# Altium PCB msp432.PcbDoc (continued)
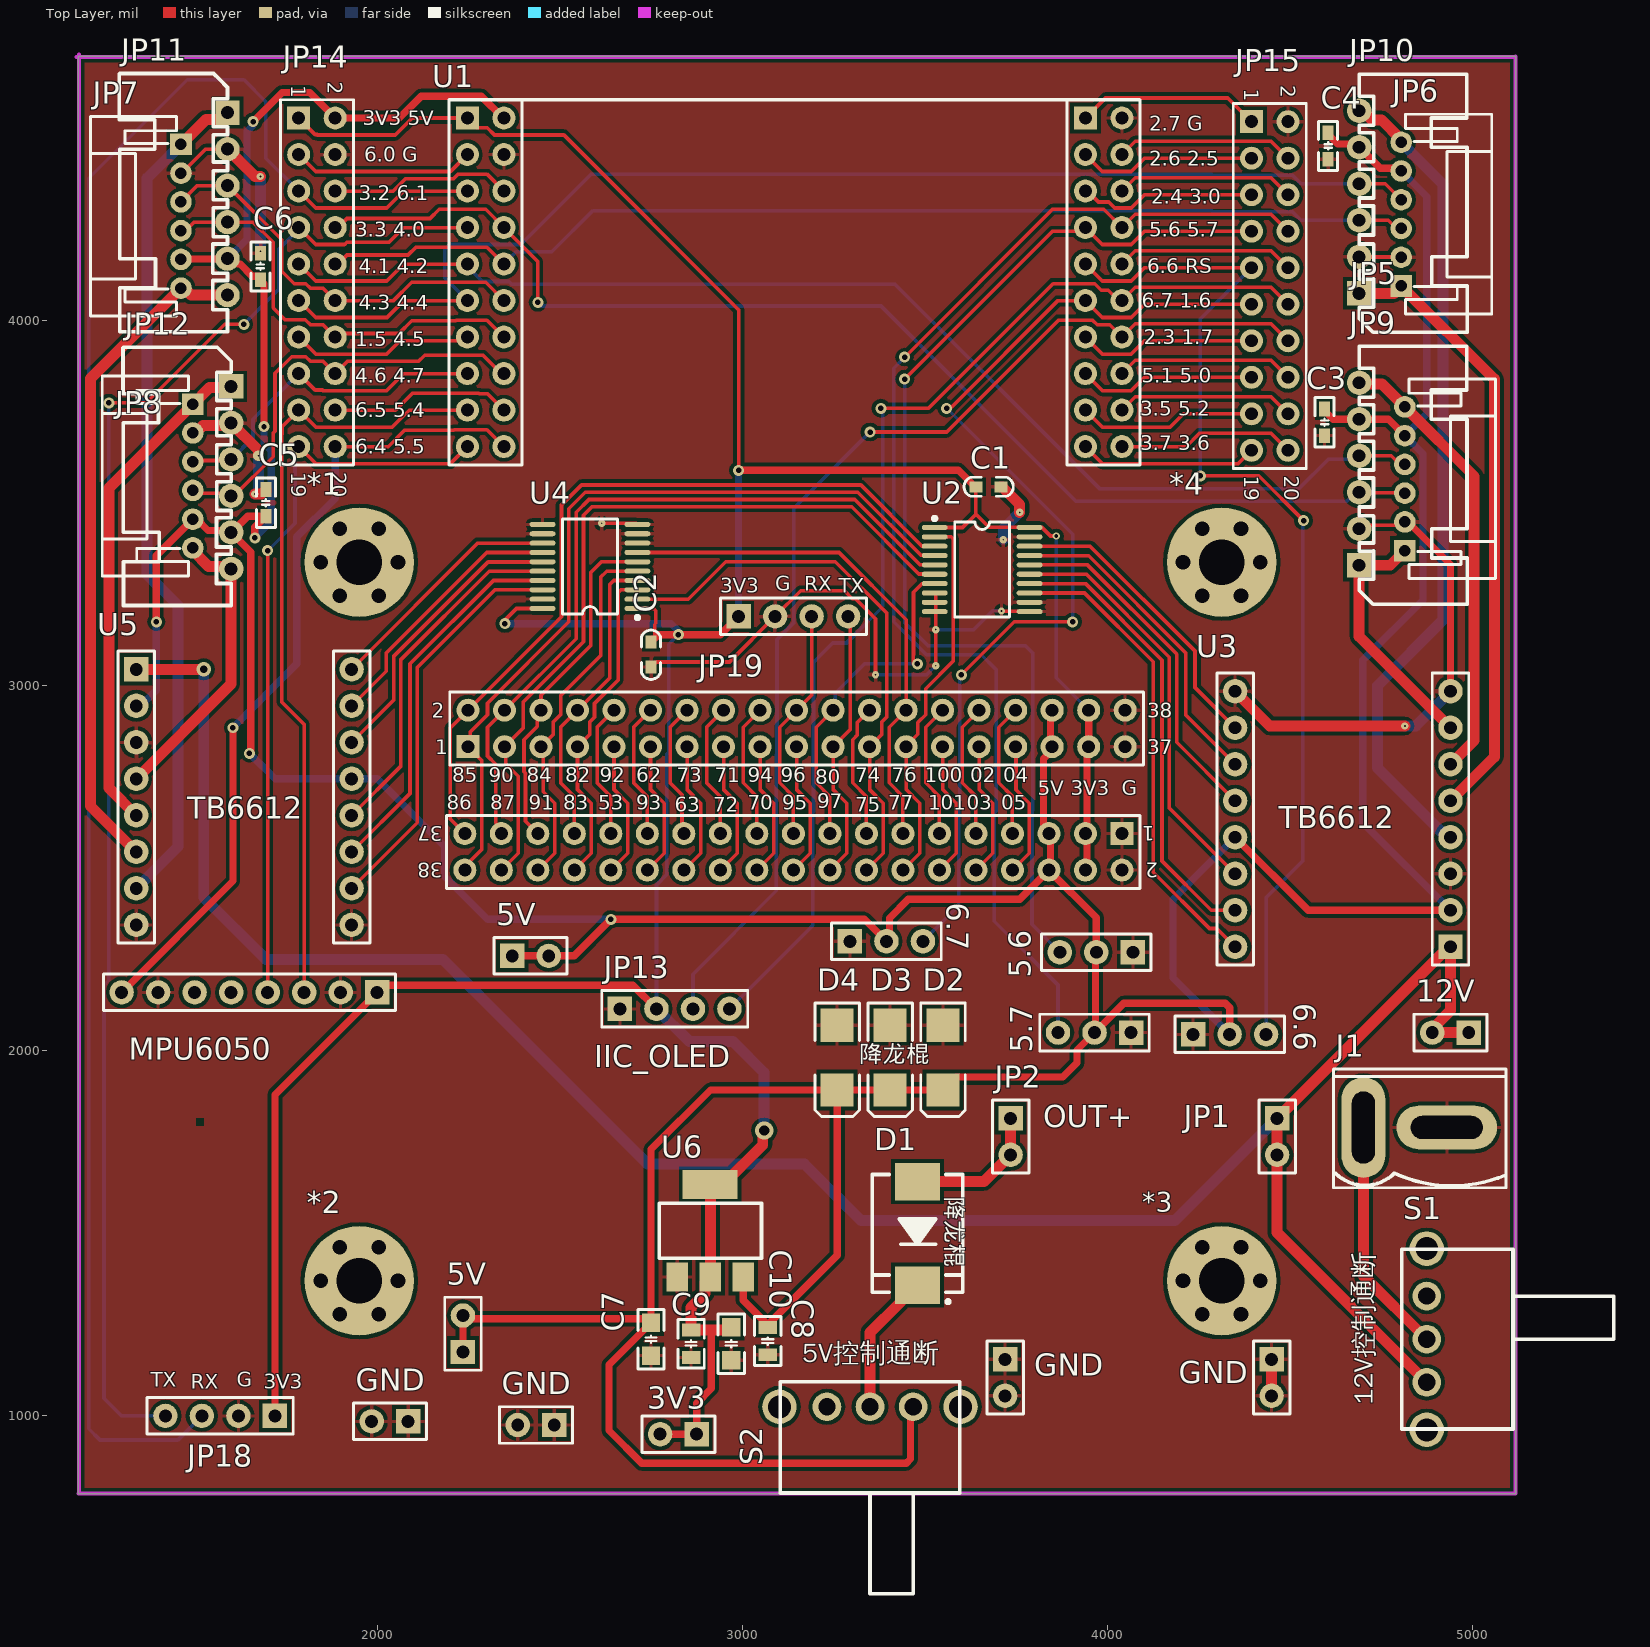
[diagram p0: Top Layer view]
## Part data
3V3 5V 5V 12V GND GND GND GND JP1 JP2: library part "Header 2", "2P接插件", BOM名称=2P接插件, 学习资源=https://lmdzstyle.taobao.com/, 版权归属=黎明电子style
5.6 5.7 6.6 6.7: library part "Header 3", "3P接插件", BOM名称=3P接插件, 学习资源=https://shop463601444.taobao.com, 版权归属="封装库来自淘宝 ID：黄晶宝石"
*1 *2 *3 *4: "铜柱孔", BOM名称=铜柱孔, 学习资源=https://lmdzstyle.taobao.com/, 版权归属=黎明电子style
C1 C2 C3 C4 C5 C6: library part C, "无极性贴片电容", BOM名称=无极性贴片电容, 学习资源=https://lmdzstyle.taobao.com/, 版权归属=黎明电子style
C7 C8 C9 C10: library part C, "贴片电容", BOM名称=无极性贴片电容, 唯一出售店铺网址=https://shop463601444.taobao.com, 淘宝ID="封装库来自淘宝 ID：黄晶宝石", 联系售后，技术支持=https://shop463601444.taobao.com
D1: "肖特基二极管", BOM名称=肖特基二极管, 学习资源=www.ooocke.com, 属性=40V/3A, 版权归属=源创客
D2 D3 D4: "TVS保护", PackageDocument=Sep-1996, Code_JEDEC=DO-214-AB, LatestRevisionDate=17-Jul-2002, LatestRevisionNote="Re-released for DXP Platform.", PackageReference=SMC, Published=8-Jun-2000, Publisher="Altium Limited", Type=E6.8CA
J1: "航模电池接口", BOM=航模电池接口
JP5 JP6 JP7 JP8 JP9 JP10 JP11 JP12: library part "Header 6", "6P接插件", BOM名称=6P接插件
  JP5 JP6 JP7 JP8: 学习资源=www.ooocke.com, 版权归属=源创客
  JP9 JP10 JP11 JP12: 学习资源=https://lmdzstyle.taobao.com/, 版权归属=黎明电子style
JP13 JP18 JP19: library part "Header 4", "4P接插件", BOM名称=4P接插件, 学习资源=https://shop463601444.taobao.com, 版权归属="封装库来自淘宝 ID：黄晶宝石"
JP14 JP15: library part "Header 10X2", "10*2P接插件", BOM名称=10*2P接插件, 学习资源=www.ooocke.com, 版权归属=源创客
JP16: library part "Header 19X2", "19*2P接插件", BOM名称=19*2P接插件, 学习资源=https://shop463601444.taobao.com, 版权归属="封装库来自淘宝 ID：黄晶宝石"
MPU6050: library part "Header 8", "8P接插件", BOM名称=8P接插件, 学习资源=https://shop463601444.taobao.com, 版权归属="封装库来自淘宝 ID：黄晶宝石"
S1 S2: library part SSW-1P, "1路波动开关", BOM名称=波动开关, 学习资源=https://lmdzstyle.taobao.com/, 版权归属=黎明电子style
U1: "适配msp432官方"
U2 U4: BOM_JLCPCB Part Class="Extended Part", BOM_Manufacturer=TI, BOM_Manufacturer Part=SN74LVC245APWR, BOM_Supplier=LCSC, BOM_Supplier Part=C7848, spicePre=X, spiceSymbolName=SN74LVC245APWR
U3 U5: BOM_JLCPCB Part Class="Extended Part", BOM_Manufacturer=TOSHIBA, BOM_Manufacturer Part=TB6612FNG,C,8,EL, BOM_Supplier=LCSC, BOM_Supplier Part=C141517, Contributor=LCSC, spicePre=U, spiceSymbolName=TB6612FNG,C,8,EL
U6: library part Component_1

## Via types
v1: diameter 30, hole 15, Top Layer to Bottom Layer, 24 vias
v2: diameter 20, hole 5, Top Layer to Bottom Layer, 11 vias
v3: diameter 30, hole 5, Top Layer to Bottom Layer, 1 vias
v4: diameter 20, hole 10, Top Layer to Bottom Layer, 1 vias
v5: diameter 40, hole 20, Top Layer to Bottom Layer, 1 vias
v6: diameter 50, hole 28, Top Layer to Bottom Layer, 1 vias

## Nets (pads, with @x,y where several pads share a name; then routed paths per layer and width w, separated by ;. In a path a pad name is that pad's centre, name@x,y a point inside that pad or via, vN(x,y) a via of type N, cw(c..) or ccw(c..) an arc to the next point about the centre after c; other vN are vias at no path point)
3V3: 3V3.1 3V3.2 C1.1 C2.1 C9.2 C10.2 JP13.2 JP14.1 JP16.3 JP16.4 JP18.1 JP19.1 MPU6050.1 U1.1 U1.55 U1.56 U2.1 U2.20 U4.1 U4.20 U6.2 | length 10227.3
  Top Layer w10: JP14.1 1830,4510 1835,4510 1836.5,4508.5 2049.68,4508.5 2096.17,4555 U1.1 2273.58,4528.5 2301.5,4528.5 2321.5,4508.5 2511.5,4508.5 2990,4030 v1(2990,3590) ; v1@2350,3180 2381.62,3211.62 U4.20 ; U4.1 2757.53,3211.62 2763.38,3205.76 2763.38,3170.82 2760,3167.44 C2.1@2760,3130 ; JP19.1@2968.38,3211.62 JP19.1 ; U2.1 3603.38,3433.38 3640,3470 ; C1.1 3640,3470 ; v4(3860,3410) 3844.29,3410 3820.91,3433.38 U2.20 3786.28,3434.11 3675.89,3434.11 3640,3470
  Top Layer w20: JP18.1 1720,1880 2020,2180 2700,2180 JP13.2 ; C2.1 2750,3122.5 2755,3127.5 2757.5,3127.5 2760,3130 2770,3140 v1(2825,3140) 2940,3140 JP19.1 ; 3V3.2 3V3.1 2875,1035 2915,1075 2915,1235 ; v1(2990,3590) 3592.5,3590 3637.5,3545 C1.1 ; JP16.4 3944.45,2499.45 U1.56@3944.45,2832.97 ; U1.55@3944.45,2928.52 U1.55 U1.56
  Top Layer w30: C10.2@2970,1235 2915,1235 C9.2 2860,1297.5 2898.05,1335.55 2898.05,1365.5 2912.55,1380 2912.55,1632.88 2911.88,1633.54 2947.38,1633.54 3056.17,1742.34 3056.17,1777.84 v6(3060,1781.66)
  Bottom Layer w10: JP13.2 2765,2454.24 2793.5,2482.75 2793.5,2811.82 2798.53,2816.85 2798.53,3113.53 v1(2825,3140) ; v4(3860,3410) 3860,3021.86 U1.55
  Bottom Layer w20: v1(2350,3170) 2805,3170 2825,3150 v1(2825,3140) ; JP19.1 v1@2990,3585
  Bottom Layer w30: JP13.2 2855,2025 2975,2025 3060,1940 v6(3060,1781.66)
5V: 5.6.2 5.7.2 5V.1 5V.2 6.6.2 6.7.2 C3.1 C4.1 C5.1 C6.1 C7.2 C8.2 D2.2 D3.2 D4.2 JP5.5 JP6.5 JP7.5 JP8.5 JP9.5 JP10.5 JP11.5 JP12.5 JP14.2 JP16.5 JP16.6 S2.1 U1.2 U1.53 U1.54 U3.2 U3.13 U5.2 U5.13 U6.3 | length 16818.1
  Top Layer w20: v1(1395,3175) 1395,3356.26 JP8.5 1505.57,3456.26 1536.54,3425.29 1594.71,3425.29 JP12.5 ; JP7.5 1463.64,4168.93 1588.93,4168.93 JP11.5 1602.7,4170 1617.58,4155.12 1624.88,4155.12 1658,4122 1675,4122 1680,4117 C6.1 1690,4102 v1(1690,3710) ; v1@1653.46,2823.46 1653.46,3366.54 JP12.5 ; v1(1660,4545) 1740,4625 1815,4625 JP14.2 2060.82,4555 2120.82,4615 2285,4615 2345,4555 U1.2 ; v1(1665,3405) 1665,3434.5 C5.1 1645.25,3464.5 1600.75,3420 JP12.5 ; 5V.1@2235,1175 2235,1266.02 2235,1275 2243.98,1266.02 2738.98,1266.02 C7.2 ; 5V.1@2370,2260 2470,2260 2540,2260 v1(2640,2360) 3335,2360 6.7.2 3403.46,2308.46 3403.46,2363.46 3455,2415 3760,2415 JP16.6 ; U6.3 3003.1,1316.9 3070,1250 3260,1440 D4.2 ; S2.1 3460.63,1017.52 3460.63,881.72 3448.91,870 2725,870 2635,960 2635,1140 C7.2 ; JP16.5 3840,2606.63 3825,2621.63 3825,2799.76 3848.89,2823.65 U1.54 ; JP16.5@3844.45,2595 3844.45,2499.45 JP16.6 ; U1.54@3844.45,2832.97 3844.45,2928.52 U1.53 ; 6.6.2 4335,2118.28 4323.28,2130 4045,2130 5.7.2@3967.5,2052.5 ; U3.13 4550,2385 U3.2 ; C3.1 4595,3753 4618,3730 JP9.5 4770,3730 JP5.5 ; C4.1 4605,4510 4631.02,4483.98 4681.02,4483.98 JP10.5 4747.53,4417.47 4797.53,4417.47 JP6.5 ; C7.2 2750,1730 2912.83,1892.83 D4.2 ; D4.2 D3.2 D2.2 3585.28,1928.11 3878.11,1928.11 3917.07,1967.07 3917.07,2002.07 5.7.2 5.7.2@3967.5,2052.5 ; JP16.6 3970,2365 5.6.2 3967.5,2267.5 5.7.2@3967.5,2052.5
  Bottom Layer w20: U5.2 1352.7,2945 1395,2987.3 v1(1395,3175) ; JP11.5 1643.46,4223.46 1643.46,4518.46 v1@1660,4535 ; v1(1650,2815) 1720,2745 U5.13 2000,2745 2184.33,2560.67 2184.33,2477.84 2302.17,2360 v1(2640,2360) ; v1(1665,3405) 1710,3450 1710,3644.5 1690,3664.5 v1(1690,3710) ; 6.6.2 4180,2200 4180,2415 4340,2575 4340,2580 4350,2580 U3.13 ; JP6.5 4875,4340 4875,3745 JP5.5 4864.53,3635.47 4864.53,3234.53 4700,3070 4700,2625 U3.2
+5OUT: D1.2 S2.2 | length 393.5
  Top Layer w30: S2.2 3350,1228.27 3432.99,1311.26 3432.99,1322.09 3469.17,1358.27 D1.2
+12: 12V.1 12V.2 JP1.1 JP1.2 S1.3 U3.1 U5.1 | length 6150.9
  Top Layer w30: U5.1 v5(1525,3045) ; S1.3 4465,1501.89 JP1.2 JP1.1 4916.54,2266.54 4921.54,2266.54 U3.1 4940,2109.99 4890,2059.99 12V.2 12V.1
  Bottom Layer w30: v5(1525,3045) 1525,2420 1695,2250 2180,2250 2740,1690 3170,1690 3325,1535 4185,1535 JP1.1
GND: 5.6.1 5.7.1 6.6.1 6.7.1 C1.2 C2.2 C3.2 C4.2 C5.2 C6.2 C7.1 C8.1 C9.1 C10.1 D2.1 D3.1 D4.1 GND.1 GND.2 J1.2 JP5.2 JP6.2 JP7.2 JP8.2 JP9.2 JP10.2 JP11.2 JP12.2 JP13.1 JP14.4 JP15.2 JP16.1 JP16.2 JP18.2 JP19.2 MPU6050.2 MPU6050.7 U1.4 U1.57 U1.58 U1.77 U2.8 U2.9 U2.10 U2.11 U2.12 U2.19 U3.3 U3.8 U3.9 U4.8 U4.9 U4.10 U4.11 U4.12 U4.19 U5.3 U5.8 U5.9 U6.1 | length 4232.1
  Top Layer w10: JP7.2 1464.1,4404.07 1529.79,4469.76 1589.76,4469.76 JP11.2 ; v2(2615,3445) 2709.77,3445 U4.10 ; C2.2 2750,3053.5 2760,3063.5 2762.5,3063.5 2764,3065 2965,3065 JP19.2 3160,3260 3280,3260 3301.54,3238.46 3310.07,3238.46 3365,3183.54 v2(3365,3030) ; U2.8 3528.25,3254.25 3530,3252.5 v2(3530,3153.75) v2(3530,3055) ; v2(3710,3205) 3711.21,3203.79 3786.28,3203.79 U2.11 ; JP9.2 4699.39,3439.39 4805.61,3439.39 JP5.2 ; JP10.2 4690.61,4174.39 4804.39,4174.39 JP6.2
  Top Layer w20: JP5.2 4823.6,3448.78 4940,3332.38 U3.8
  Top Layer w30: JP8.2 1502.86,3692.48 1523.32,3712.93 1592.93,3712.93 JP12.2 1675,3645 v3(1675,3630) ; JP11.2 1665,4395 v2(1680,4395) ; v2(1665,3525) 1682.5,3525 1690,3532.5 1695,3532.5 C5.2 ; C1.2 3711.5,3545 3760,3496.5 v2(3760,3475) ; U3.9 4445,2890 v2(4815,2890) ; GND.2@4450,1055 GND.1@4450,1155
  Bottom Layer w10: v2(3365,3030) 3505,3030 v2(3530,3055) ; v2(3530,3153.75) 3633.75,3153.75 3685,3205 v2(3710,3205)
  Bottom Layer w30: v2(1665,3525) 1675,3535 v3(1675,3630) ; v2(1680,4190) v2(1680,4395) ; v2(3715,3400) 3715,3430 v2(3760,3475) ; v2(4815,2890) 4845,2890 U3.8
NetD1_1: D1.1 JP2.1 JP2.2 | length 385.3
  Top Layer w30: D1.1 3661.73,1641.73 JP2.2 JP2.1
NetJ1_1: J1.1 S1.2 | length 651.8
  Top Layer w30: J1.1 4701.65,1383.35 S1.2
NetU2_13: U2.13 U3.16 | length 1302.3
  Top Layer w10: U2.13 3937.47,3254.25 4125.86,3065.86 4125.86,2489.14 4280,2335 4300,2335 U3.16
NetU2_14: U2.14 U3.15 | length 1255.8
  Top Layer w10: U2.14 3940.16,3279.84 4150,3070 4150,2520 4285,2385 U3.15
NetU2_15: U2.15 U3.14 | length 1145
  Top Layer w10: U2.15 3943,3305.43 4170,3078.43 4170,2665 U3.14
NetU2_16: U2.16 U3.12 | length 972.2
  Top Layer w10: U2.16 3945.7,3331.02 4190,3086.72 4190,2845 U3.12
NetU2_17: U2.17 U3.11 | length 899.4
  Top Layer w10: U2.17 3787.72,3355.89 3949.11,3355.89 4215,3090 4215,2920 U3.11
NetU2_18: U2.18 U3.10 | length 827.5
  Top Layer w10: U2.18 3952.8,3382.2 4240,3095 4240,2995 U3.10
NetU4_13: U4.13 U5.16 | length 666.2
  Top Layer w10: U5.16 2275.75,3390.75 U4.13
NetU4_14: U4.14 U5.15 | length 747.3
  Top Layer w10: U5.15@1930,2966.01 U5.15 2025,3040 2025,3090 2300.16,3365.16 U4.14
NetU4_15: U4.15 U5.14 | length 798.2
  Top Layer w10: U5.14 2045,2960 2045,3080 2303.85,3338.85 2452.28,3338.85 U4.15
NetU4_16: U4.16 U5.12 | length 971
  Top Layer w10: U5.12 2065,2780 2065,3071.72 2307.26,3313.98 U4.16
NetU4_17: U4.17 U5.11 | length 1038.9
  Top Layer w10: U5.11 2090,2705 2090,3060 2318.39,3288.39 U4.17
NetU4_18: U4.18 U5.10 | length 1110.7
  Top Layer w10: U5.10 2110,2625 2110,3050 2322.8,3262.8 U4.18
P1.5: JP14.13 U1.13 | length 500.6
  Top Layer w10: JP14.13 1831.5,3908.5 2026,3908.5 2062.49,3945 2237.09,3945 U1.13
P1.6: JP13.4 JP15.12 U1.67 | length 3153.2
  Top Layer w10: v1(3380,3760) 3510,3760 3851.5,4101.5 3965.22,4101.5 3983.4,4083.32 4002.56,4083.32 4030.88,4055 U1.67 4076.5,4091.5 4448.5,4091.5 JP15.12
  Bottom Layer w10: JP13.4 3193.5,2343.5 3193.5,2654.63 3195.39,2656.51 3195.39,3064.61 3248.05,3117.27 3285.81,3117.27 3385,3216.46 3385,3755 v1(3380,3760)
P1.7: JP13.3 JP15.14 U1.65 | length 3106.5
  Top Layer w10: v1(3350,3695) 3560,3695 3866.5,4001.5 3959.26,4001.5 3972.25,3988.5 4006.5,3988.5 U1.65 4076.5,3991.5 4448.5,3991.5 JP15.14
  Bottom Layer w10: JP13.3 2865,2210 3093.5,2438.5 3093.5,2811.82 3095.39,2813.71 3095.39,3126.85 3141.54,3173 3141.54,3486.54 v1(3350,3695)
P2.3: JP15.13 U1.66 | length 489.4
  Top Layer w10: U1.66 3986.5,3908.5 4065.22,3908.5 4101.72,3945 JP15.13
P2.4: JP15.5 U1.74 | length 489.4
  Top Layer w10: U1.74 3945.76,4355 3975.76,4325 4004.24,4325 4020.74,4308.5 4065.22,4308.5 4101.72,4345 JP15.5
P2.5: JP15.4 U1.75 | length 489.4
  Top Layer w10: U1.75 4076.5,4491.5 4448.5,4491.5 JP15.4
P2.6: JP15.3 U1.76 | length 489.4
  Top Layer w10: U1.76 3986.5,4408.5 4065.22,4408.5 4101.72,4445 JP15.3
P2.7: JP15.1 U1.78 | length 504.7
  Top Layer w10: U1.78 3995,4610 4330,4610 JP15.1
P3.0: JP15.6 U1.73 | length 489.4
  Top Layer w10: U1.73 4076.5,4391.5 4448.5,4391.5 JP15.6
P3.2: JP14.5 JP18.3 U1.5 | length 5179.6
  Top Layer w10: JP14.5 1831.5,4308.5 2026,4308.5 2072.49,4355 U1.5
  Bottom Layer w10: JP18.3 1454.14,934.14 1240.86,934.14 1210,965 1210,4390 1480,4660 1635,4660 1695,4600 1695,4445 JP14.5
P3.3: JP14.7 JP18.4 U1.7 | length 4207.4
  Top Layer w10: v1(1265,3775) 1367.71,3775 1582.71,3990 v1(1635,3990) ; JP14.7 1831.5,4208.5 1910.22,4208.5 1916.72,4215 2032.49,4215 2072.49,4255 U1.7
  Bottom Layer w10: v1(1265,3775) 1265,2193.54 1251.54,2180.07 1251.54,1048.46 1300,1000 JP18.4 ; v1(1635,3990) 1730,4085 1730,4195 1785,4250 JP14.7
P3.5: JP15.17 U1.62 | length 489.4
  Top Layer w10: U1.62 3986.5,3708.5 4172.5,3708.5 4209,3745 JP15.17
P3.6: JP15.20 U1.59 | length 489.4
  Top Layer w10: U1.59 4216.05,3655 4252.55,3691.5 4448.5,3691.5 JP15.20
P3.7: JP15.19 U1.60 | length 489.4
  Top Layer w10: U1.60 3986.5,3608.5 4358.5,3608.5 JP15.19
P4.0: JP5.3 JP9.3 JP14.8 U1.8 | length 3359.1
  Top Layer w10: JP14.8 1892.35,4255 1917.35,4280 2145,4280 2170,4305 2297.09,4305 U1.8 2440,4162.09 v1(2440,4050) ; JP9.3 4691.24,3528.76 4813.76,3528.76 JP5.3
  Bottom Layer w10: v1(2440,4050) 2450,4040 3380,4040 3915,3505 4655.68,3505 4680.68,3530 JP9.3
P4.1: JP5.4 JP9.4 JP14.9 U1.9 | length 3374.5
  Top Layer w10: JP14.9 1831.5,4108.5 2026,4108.5 2072.49,4155 U1.9 ; JP9.4 4777.99,3630 4801.73,3606.26 JP5.4
  Bottom Layer w10: U1.9 2247.09,4147.91 2287.5,4107.5 2360.34,4107.5 2367.84,4100 3418.39,4100 3978.39,3540 4525,3540 4605,3620 4680,3620 JP9.4
P4.2: JP6.3 JP10.3 JP14.10 U1.10 | length 3042
  Top Layer w10: JP14.10 1892.35,4155 1917.35,4180 2084.59,4180 2106.09,4201.5 2300.59,4201.5 U1.10 ; JP10.3@4687.5,4275 JP10.3 4769.25,4275 4791.73,4252.52 JP6.3
  Bottom Layer w10: U1.10 2380.59,4188.5 2478.5,4188.5 2591.5,4301.5 4284.42,4301.5 4287.41,4298.5 4507.25,4298.5 4530.76,4275 JP10.3
P4.3: JP6.4 JP10.4 JP14.11 U1.11 | length 3415.3
  Top Layer w10: JP14.11@1770.66,4055 JP14.11 1831.5,4008.5 2026.79,4008.5 2073.28,4055 U1.11 ; JP10.4 4761.26,4375 JP6.4
  Bottom Layer w10: U1.11 2185,4117.09 2185,4195 2198.5,4208.5 2393.5,4208.5 2586.5,4401.5 4284.42,4401.5 4287.41,4398.5 4507.25,4398.5 4530.76,4375 JP10.4
P4.4: JP7.3 JP11.3 JP14.12 U1.12 | length 1125.2
  Top Layer w10: JP7.3 1507.24,4370 JP11.3 1738.5,4221.5 1738.5,4135.74 1772.75,4101.5 1804.26,4101.5 1817.25,4088.5 1851.5,4088.5 JP14.12 2045,4055 2095,4105 2297.09,4105 U1.12
P4.5: JP7.4 JP11.4 JP14.14 U1.14 | length 1168.7
  Top Layer w10: JP7.4 1475.84,4246.59 1499.25,4270 JP11.4 1660,4270 1715,4215 1715,4035 1747.43,4002.57 1803.19,4002.57 1817.25,3988.5 1851.5,3988.5 JP14.14 1895,3965 2060,3965 2095,4000 2215,4000 2216.5,4001.5 2300.59,4001.5 U1.14
P4.6: JP8.3 JP12.3 JP14.15 U1.15 | length 919.8
  Top Layer w10: JP8.3 1498.13,3616.87 1596.87,3616.87 JP12.3 ; JP14.15 1830,3810 1850,3810 1851.5,3808.5 2026,3808.5 2072.49,3855 U1.15
  Bottom Layer w10: JP12.3 1660,3680 1660,3730 JP14.15
P4.7: JP8.4 JP12.4 JP14.16 U1.16 | length 1207.7
  Top Layer w10: JP8.4 1502.5,3527.5 1592.5,3527.5 JP12.4 1607.43,3520 1715,3627.57 1715,3692.57 1720,3697.57 1720,3855.76 1765.74,3901.5 1804.26,3901.5 1817.25,3888.5 1851.5,3888.5 JP14.16 1918.5,3888.5 2113.5,3888.5 2130,3905 2290,3905 2340,3855 U1.16
P5.0: JP15.16 U1.63 | length 489.4
  Top Layer w10: U1.63 4076.5,3891.5 4448.5,3891.5 JP15.16
P5.1: JP15.15 U1.64 | length 489.4
  Top Layer w10: U1.64 3986.5,3808.5 4065.22,3808.5 4101.72,3845 JP15.15
P5.2: JP15.18 U1.61 | length 489.4
  Top Layer w10: U1.61 4076.5,3791.5 4448.5,3791.5 JP15.18
P5.3: JP16.30 U1.30 | length 372.8
  Top Layer w10: JP16.30 2686.5,2541.5 2686.5,2678.38 2648.89,2715.99 U1.30
P5.4: JP14.18 U1.18 | length 500.6
  Top Layer w10: JP14.18 2050,3755 2096.5,3801.5 2278.5,3801.5 2280,3800 2302.09,3800 U1.18
P5.5: JP14.20 MPU6050.8 U1.20 | length 2237.9
  Top Layer w10: JP14.20 2030,3655 2075,3700 2210,3700 2211.5,3701.5 2300.59,3701.5 U1.20
  Top Layer w20: MPU6050.8 1605,2465 v1(1605,2885)
  Bottom Layer w20: v1(1605,2885) 1780,3060 1780,3407.92 1885,3512.92 JP14.20
P5.6: 5.6.3 JP15.7 U1.72 | length 3060.1
  Top Layer w10: v1(3445,3840) 3850,4245 3930,4245 U1.72 3986.5,4208.5 4065.22,4208.5 4101.72,4245 JP15.7
  Bottom Layer w10: v1(3445,3840) 3445,3173.28 3508.28,3110 3775,3110 3795.39,3089.61 3795.39,2658.01 3793.5,2656.12 3793.5,2346.5 5.6.3
P5.7: 5.7.3 JP15.8 U1.71 | length 3414
  Top Layer w10: v1(3445,3900) 3850,4305 3990,4305 U1.71 4076.5,4291.5 4448.5,4291.5 JP15.8
  Bottom Layer w10: v1(3445,3900) 3415,3870 3415,3175 3505,3085 3655,3085 3695.39,3044.61 3695.39,2656.41 3690,2651.02 3690,2355.2 3865,2180.2 5.7.3
P6.0: JP14.3 U1.3 | length 500.6
  Top Layer w10: JP14.3 1831.5,4408.5 2200.59,4408.5 U1.3
P6.1: JP14.6 U1.6 | length 500.6
  Top Layer w10: JP14.6 2044.21,4355 2077.71,4388.5 2208.87,4388.5 2221.87,4401.5 2300.59,4401.5 U1.6
P6.2: JP16.27 U1.31 | length 372.8
  Top Layer w10: JP16.27 2740,2696.6 2702.4,2734.2 2702.4,2886.47 U1.31
P6.3: JP16.26 U1.34 | length 372.8
  Top Layer w10: JP16.26 2886.5,2541.5 2886.5,2678.38 2848.89,2715.99 U1.34
P6.4: JP14.19 MPU6050.4 U1.19 | length 2030.8
  Top Layer w10: MPU6050.4 v1(1700,3370) ; JP14.19 1831.5,3608.5 2200.59,3608.5 U1.19
  Bottom Layer w10: v1(1700,3370) 1775,3445 1775,3645 JP14.19
P6.5: JP14.17 MPU6050.3 U1.17 | length 2140.3
  Top Layer w10: MPU6050.3 1800,2894.08 1738.5,2955.58 1738.5,3687.79 1740,3689.29 1740,3710 JP14.17 1831.5,3708.5 2041.38,3708.5 2087.88,3755 U1.17
P6.6: 6.6.3 JP15.9 U1.70 | length 2904.1
  Top Layer w10: U1.70 3986.5,4108.5 4065.22,4108.5 4101.72,4145 JP15.9 ; v1(4255,3575) 4415,3575 v1(4537.5,3452.5)
  Bottom Layer w10: v1(4255,3575) 4255,4005 JP15.9 ; 6.6.3 4435,2420 4535,2520 4535,3450 v1(4537.5,3452.5) v1@4540,3455
P6.7: 6.7.3 JP15.11 U1.68 | length 2850.7
  Top Layer w10: v1(3560,3760) 3563.83,3763.83 3573.83,3763.83 3865,4055 U1.68 3986.5,4008.5 4065.22,4008.5 4101.72,4045 JP15.11 ; v1(3600,3030) 3745,3175 v1(3905,3175)
  Bottom Layer w10: 6.7.3 3593.5,2398.5 3593.5,2682.13 3595.39,2684.01 v1@3595.39,3024.61 ; v1(3560,3760) 3905,3415 v1(3905,3175)
P7.0: JP16.22 U1.38 | length 372.8
  Top Layer w10: JP16.22 3086.5,2541.5 3086.5,2678.38 3048.89,2715.99 U1.38
P7.1: JP16.23 U1.35 | length 372.8
  Top Layer w10: JP16.23 2940,2696.6 2902.4,2734.2 2902.4,2886.47 U1.35
P7.2: JP16.24 U1.36 | length 372.8
  Top Layer w10: JP16.24 2986.5,2541.5 2986.5,2678.38 2948.89,2715.99 U1.36
P7.3: JP16.25 U1.33 | length 372.8
  Top Layer w10: JP16.25 2835,2600 2835,2701.6 2802.4,2734.2 2802.4,2886.47 U1.33
P7.4: JP16.15 U1.43 | length 372.8
  Top Layer w10: JP16.15 3340,2696.6 3302.4,2734.2 3302.4,2852.23 3315.39,2865.22 3315.39,2899.47 U1.43
P7.5: JP16.16 U1.44 U4.2 | length 1542
  Top Layer w10: U4.2 2852.21,3237.21 2955,3340 3255,3340 3395.39,3199.61 3395.39,2913.71 3382.4,2900.72 3382.4,2866.47 U1.44 3348.89,2715.99 3386.5,2678.38 3386.5,2541.5 JP16.16
P7.6: JP16.13 U1.45 U4.7 | length 1433.2
  Top Layer w10: U4.7 3264.84,3365.16 3448.89,3181.11 U1.45 3402.4,2886.47 3402.4,2734.2 3440,2696.6 JP16.13
P7.7: JP16.14 U1.46 U2.2 | length 1048.4
  Top Layer w10: JP16.14 3486.5,2541.5 3486.5,2678.38 3448.89,2715.99 U1.46 3448.89,2835.08 3480.72,2866.9 3480.72,2899.04 3502.4,2920.72 3502.4,2992.04 3577.59,3067.23 3577.59,3402.72 3572.51,3407.79 U2.2
P8.0: JP16.17 U1.41 U2.7 | length 943.2
  Top Layer w10: JP16.17 3240,2696.6 3202.4,2734.2 3202.4,2886.47 U1.41 ; v1@3468.89,3061.11 3468.89,3085 3469.23,3085.33 3469.23,3255.82 3492.52,3279.12 3526.43,3279.12 U2.7
  Bottom Layer w10: U1.41 3254.47,2938.54 3254.47,2979.47 3335,3060 v1(3480,3060)
P8.2: JP16.31 U1.27 U4.4 | length 833.9
  Top Layer w10: JP16.31 2540,2696.6 2502.4,2734.2 2502.4,2886.47 U1.27 2636.69,3020.77 2636.69,3276.69 2648.39,3288.39 U4.4
P8.3: JP16.32 U1.28 U4.3 | length 896.9
  Top Layer w10: JP16.32 2586.5,2541.5 2586.5,2678.38 2548.89,2715.99 U1.28 2582.4,2866.47 2582.4,2900.72 2595.39,2913.71 2595.39,2951.18 2660,3015.79 2660,3255 2667.8,3262.8 U4.3
P8.4: JP16.33 U1.25 U4.6 | length 946.3
  Top Layer w10: JP16.33 2406.5,2628.5 2406.5,2760.22 2402.4,2764.32 2402.4,2852.23 2438.75,2888.59 2438.75,2922.83 U1.25 2448.89,2973.89 2585,3110 2585,3310 2614.57,3339.57 U4.6
P8.5: JP16.37 U1.21 U2.3 | length 2157.3
  Top Layer w10: JP16.37 2200,2635 2200,2884.08 U1.21 2505,3189.08 2505,3495 2560,3550 3325,3550 3492.07,3382.93 3526.43,3382.93 U2.3
P8.6: JP16.38 U1.22 U2.4 | length 2231.8
  Top Layer w10: JP16.38 2240,2505 2286.5,2551.5 2286.5,2795.37 2275.39,2806.47 U1.22 2255.29,2839.36 2255.29,2873.61 2268.15,2886.47 2302.4,2920.72 2302.4,2952.4 2525,3175 2525,3485 2570,3530 3316.72,3530 3489.38,3357.33 3526.43,3357.33 U2.4
P8.7: JP16.36 U1.24 U2.6 | length 2144.3
  Top Layer w10: JP16.36 2386.5,2541.5 2386.5,2751.94 2351.96,2786.47 2351.96,2829.91 U1.24 2400,2884.08 2400,2955.79 2565,3120.79 2565,3466.72 2588.28,3490 3300,3490 3483.85,3306.15 3526.43,3306.15 U2.6
P9.0: JP16.35 U1.23 U2.5 | length 2066.9
  Top Layer w10: JP16.35 2340,2609.34 2325,2624.34 2325,2785.15 2302.4,2807.75 2302.4,2886.47 U1.23 2545,3129.08 2545,3475 2580,3510 3308.43,3510 3486.69,3331.74 3526.43,3331.74 U2.5
P9.1: JP16.34 U1.26 U4.5 | length 1012.3
  Top Layer w10: JP16.34 2486.5,2541.5 2486.5,2678.38 2455,2709.88 2455,2826.86 U1.26 2482.4,2866.47 2482.4,2900.72 2502.4,2920.72 2502.4,2972.4 2611.99,3081.99 2611.99,3296.99 2628.98,3313.98 U4.5
P9.2: JP16.29 U1.29 | length 372.8
  Top Layer w10: JP16.29 2640,2696.6 2602.4,2734.2 2602.4,2886.47 U1.29
P9.3: JP16.28 U1.32 | length 372.8
  Top Layer w10: JP16.28 2786.5,2541.5 2786.5,2678.38 2748.89,2715.99 U1.32
P9.4: JP16.21 U1.37 | length 372.8
  Top Layer w10: JP16.21 3040,2696.6 3002.4,2734.2 3002.4,2886.47 U1.37
P9.5: JP16.20 U1.40 | length 372.8
  Top Layer w10: JP16.20 3186.5,2541.5 3186.5,2678.38 3148.89,2715.99 U1.40
P9.6: JP16.19 JP19.3 U1.39 | length 646.9
  Top Layer w10: JP16.19 3140,2696.6 3102.4,2734.2 3102.4,2886.47 U1.39 3190,2974.08 JP19.3
P9.7: JP16.18 JP19.4 U1.42 | length 755.1
  Top Layer w10: JP16.18 3286.5,2541.5 3286.5,2678.38 3248.89,2715.99 U1.42 3295.39,2879.47 3295.39,3175.39 3300,3180 JP19.4
P10.0: JP16.11 U1.47 | length 372.8
  Top Layer w10: JP16.11 3540,2696.6 3502.4,2734.2 3502.4,2886.47 U1.47
P10.1: JP16.12 U1.48 | length 372.8
  Top Layer w10: JP16.12 3586.5,2541.5 3586.5,2678.38 3548.89,2715.99 U1.48
P10.2: JP16.9 U1.49 | length 372.8
  Top Layer w10: JP16.9 3640,2696.6 3602.4,2734.2 3602.4,2886.47 U1.49
P10.3: JP16.10 U1.50 | length 372.8
  Top Layer w10: JP16.10 3686.5,2541.5 3686.5,2678.38 3648.89,2715.99 U1.50
P10.4: JP16.7 U1.51 | length 372.8
  Top Layer w10: JP16.7 3740,2696.6 3702.4,2734.2 3702.4,2886.47 U1.51
P10.5: JP16.8 U1.52 | length 372.8
  Top Layer w10: JP16.8 3786.5,2541.5 3786.5,2678.38 3750,2714.88 3750,2831.86 U1.52
RST: JP15.10 U1.69 | length 489.4
  Top Layer w10: U1.69 4076.5,4191.5 4448.5,4191.5 JP15.10
TA1: JP5.1 JP9.1 U3.7 | length 690.1
  Top Layer w30: JP5.1 4774.96,3330 JP9.1 4690,3135 U3.7
TA2: JP5.6 JP9.6 U3.6 | length 1236.8
  Top Layer w30: JP9.6 4693.46,3826.54 4752.2,3826.54 JP5.6 5005,3573.74 5005,2850 U3.6
TB1: JP6.1 JP10.1 U3.5 | length 1688.7
  Top Layer w30: JP10.1 4784.96,4075 JP6.1 5060,3840.04 5060,2805 U3.5
TB2: JP6.6 JP10.6 U3.4 | length 2270
  Top Layer w30: JP10.6 4699.99,4575 4724.99,4550 4751.6,4550 4805,4496.6 JP6.6
  Bottom Layer w30: JP6.6 4920,4373.74 4920,3180 4740,3000 4740,2775 4911.54,2603.46 4930.01,2585 U3.4
TC1: JP7.1 JP11.1 U5.7 | length 2322.5
  Top Layer w30: JP7.1 1531.29,4551.54 1571.54,4551.54 JP11.1
  Bottom Layer w30: U5.7 1455,2560 1455,3220 1370,3305 1370,4390.24 JP7.1
TC2: JP7.6 JP11.6 U5.6 | length 1847.5
  Top Layer w10: JP11.6@1580.28,4079.72 JP11.6
  Top Layer w30: U5.6 1215,2670 1215,3841.54 JP7.6 1470.43,4089.11 1489.54,4070 JP11.6
TD1: JP8.1 JP12.1 U5.5 | length 1377.8
  Top Layer w30: U5.5 1265,2720 1265,3541.22 JP8.1 1541,3817.22 1597.22,3817.22 JP12.1
TD2: JP8.6 JP12.6 U5.4 | length 816.1
  Top Layer w30: U5.4 1600,3005 JP12.6 1592.93,3327.07 1537.59,3327.07 1495,3369.66 JP8.6
pads on no net: *1.1 *1.6 *1.7 *1.8 *1.9 *1.10 *1.11 *2.1 *2.6 *2.7 *2.8 *2.9 *2.10 *2.11 *3.1 *3.6 *3.7 *3.8 *3.9 *3.10 *3.11 *4.1 *4.6 *4.7 *4.8 *4.9 *4.10 *4.11 MPU6050.5 MPU6050.6 S1.0 S1.1 S2.0 S2.3

## Polygon pours and split planes (outlines as drawn)
GND on Bottom Layer "GND_L02_P001" (solid, pour order 1): 1176.1,4722.4 5113.11,4722.4 5113.11,792.4 5118.11,787.4 1181.1,787.4 1181.1,4711.1 1185,4715
GND on Top Layer "GND_L01_P000" (solid, pour order 0): 1183.11,4722.4 5113.11,4722.4 5113.11,792.4 1183.11,792.4

## Keep-outs
Keep-Out Layer:
  lines w10: 1176.1,4722.4 5113.11,4722.4 ; 1181.1,787.4 5118.11,787.4 5118.11,4724.41 ; 1183.11,792.4 1183.11,4729.41

## Other copper
Top Layer:

## Silkscreen, mask and mechanical layers (free items; w line width, h text height)
Top Overlay:
  text "3V3 5V" at 1960,4535 h40
  text "2.7 G" at 4115,4520 h40
  text "6.0 G" at 1965,4435 h40
  text "2.6 2.5" at 4115,4425 h40
  text "3.2 6.1" at 1950,4330 h40
  text "2.4 3.0" at 4120,4320 h40
  text "3.3 4.0" at 1940,4230 h40
  text "5.6 5.7" at 4115,4230 h40
  text "4.1 4.2" at 1950,4130 h40
  text "6.6 RS" at 4110,4130 h40
  text "6.7 1.6" at 4095,4035 h40
  text "4.3 4.4" at 1950,4030 h40
  text "2.3 1.7" at 4100,3935 h40
  text "1.5 4.5" at 1940,3930 h40
  text "4.6 4.7" at 1940,3830 h40
  text "5.1 5.0" at 4095,3830 h40
  text "3.5 5.2" at 4090,3740 h40
  text "6.5 5.4" at 1940,3735 h40
  text "3.7 3.6" at 4090,3645 h40
  text "6.4 5.5" at 1940,3635 h40
  text "G" at 3090,3260 h40
  text "RX" at 3170,3260 h40
  text "3V3" at 2940,3255 h40
  text "TX" at 3265,3255 h40
  text "85" at 2205,2735 h40
  text "90" at 2305,2735 h40
  text "84" at 2410,2735 h40
  text "82" at 2515,2735 h40
  text "92" at 2610,2735 h40
  text "62" at 2710,2735 h40
  text "73" at 2820,2735 h40
  text "71" at 2925,2735 h40
  text "94" at 3015,2735 h40
  text "96" at 3105,2735 h40
  text "74" at 3310,2735 h40
  text "76" at 3410,2735 h40
  text "100" at 3500,2735 h40
  text "02" at 3625,2735 h40
  text "04" at 3715,2735 h40
  text "80" at 3200,2730 h40
  text "5V" at 3810,2700 h40
  text "3V3" at 3900,2700 h40
  text "G" at 4040,2700 h40
  text "97" at 3205,2665 h40
  text "86" at 2190,2660 h40
  text "87" at 2310,2660 h40
  text "91" at 2415,2660 h40
  text "83" at 2510,2660 h40
  text "53" at 2605,2660 h40
  text "93" at 2710,2660 h40
  text "70" at 3015,2660 h40
  text "95" at 3110,2660 h40
  text "77" at 3400,2660 h40
  text "101" at 3510,2660 h40
  text "03" at 3615,2660 h40
  text "05" at 3710,2660 h40
  text "63" at 2815,2655 h40
  text "72" at 2920,2655 h40
  text "75" at 3310,2655 h40
  text "TB6612" at 1480,2635 h60
  text "TB6612" at 4470,2610 h60
  text "IIC_OLED" at 2595,1955 h60
  text "降龙棍" at 3320,1952.25 h80
  text "OUT+" at 3825,1790 h60
  text "降龙棍" at 3542.25,1600 h80 r270
  text "5V控制通断" at 3165,1129.5 h90
  text "TX" at 1380,1080 h40
  text "G" at 1615,1080 h40
  text "RX" at 1490,1075 h40
  text "3V3" at 1690,1075 h40
  text "12V控制通断" at 4745.5,1030.08 h90 r90

## Text inside footprints (layer, text, board x,y; h text height)
JP14: Top Overlay "2" at 1865,4655 h40 r270; Top Overlay "1" at 1765,4645 h40 r270; Top Overlay "20" at 1875,3585 h40 r270; Top Overlay "19" at 1765,3585 h40 r270
JP15: Top Overlay "2" at 4475,4645 h40 r270; Top Overlay "1" at 4375,4635 h40 r270; Top Overlay "20" at 4485,3575 h40 r270; Top Overlay "19" at 4375,3575 h40 r270
JP16: Top Overlay "2" at 4140,2515 h40 r180; Top Overlay "1" at 4130,2615 h40 r180; Top Overlay "37" at 2180,2615 h40 r180; Top Overlay "38" at 2180,2515 h40 r180
U1: Top Overlay "2" at 2148.89,2912.97 h40; Top Overlay "1" at 2158.89,2812.97 h40; Top Overlay "37" at 4108.89,2812.97 h40; Top Overlay "38" at 4108.89,2912.97 h40